# Altium PCB PCB1.PcbDoc
Units mil, origin at the board's own origin, x right, y up, seen from the top; angles counter-clockwise.
Board outline 6000 x 4000 mil, 2 copper layers (Top Layer, Bottom Layer); 38 components, 36 nets, 159 pads, 1 vias.
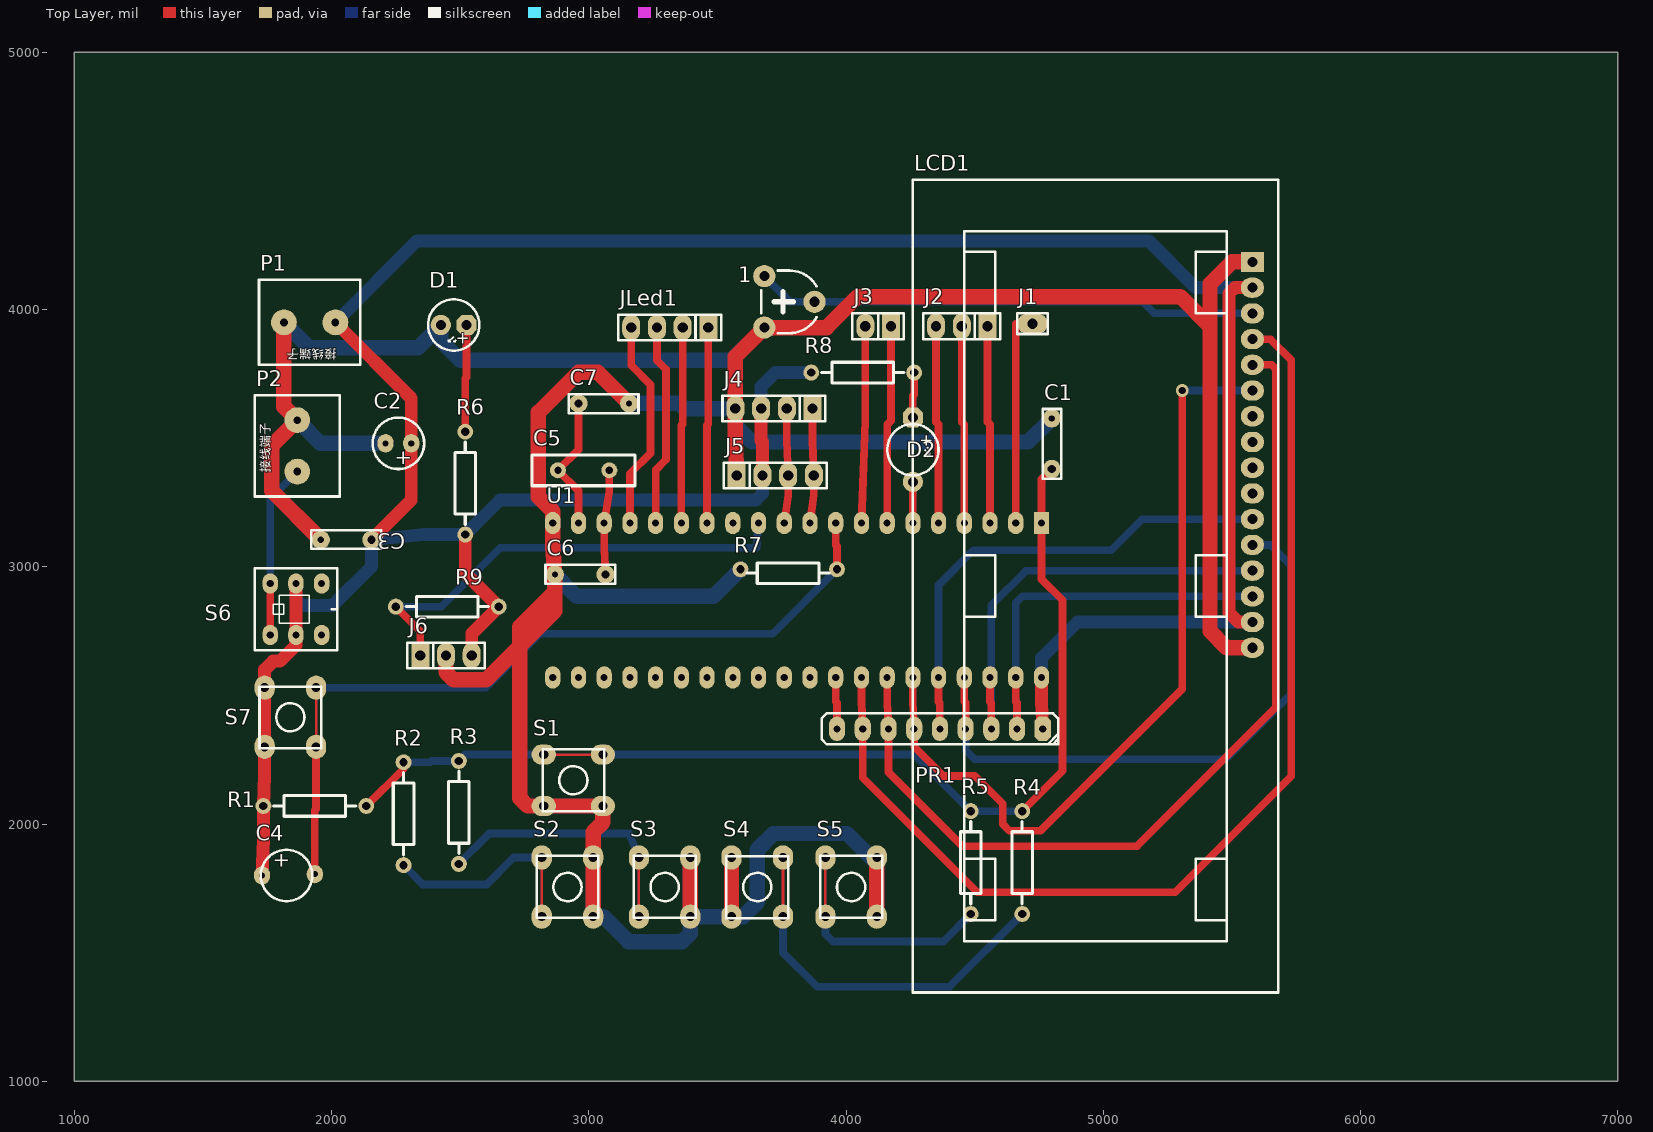
[diagram p0: Top Layer view]
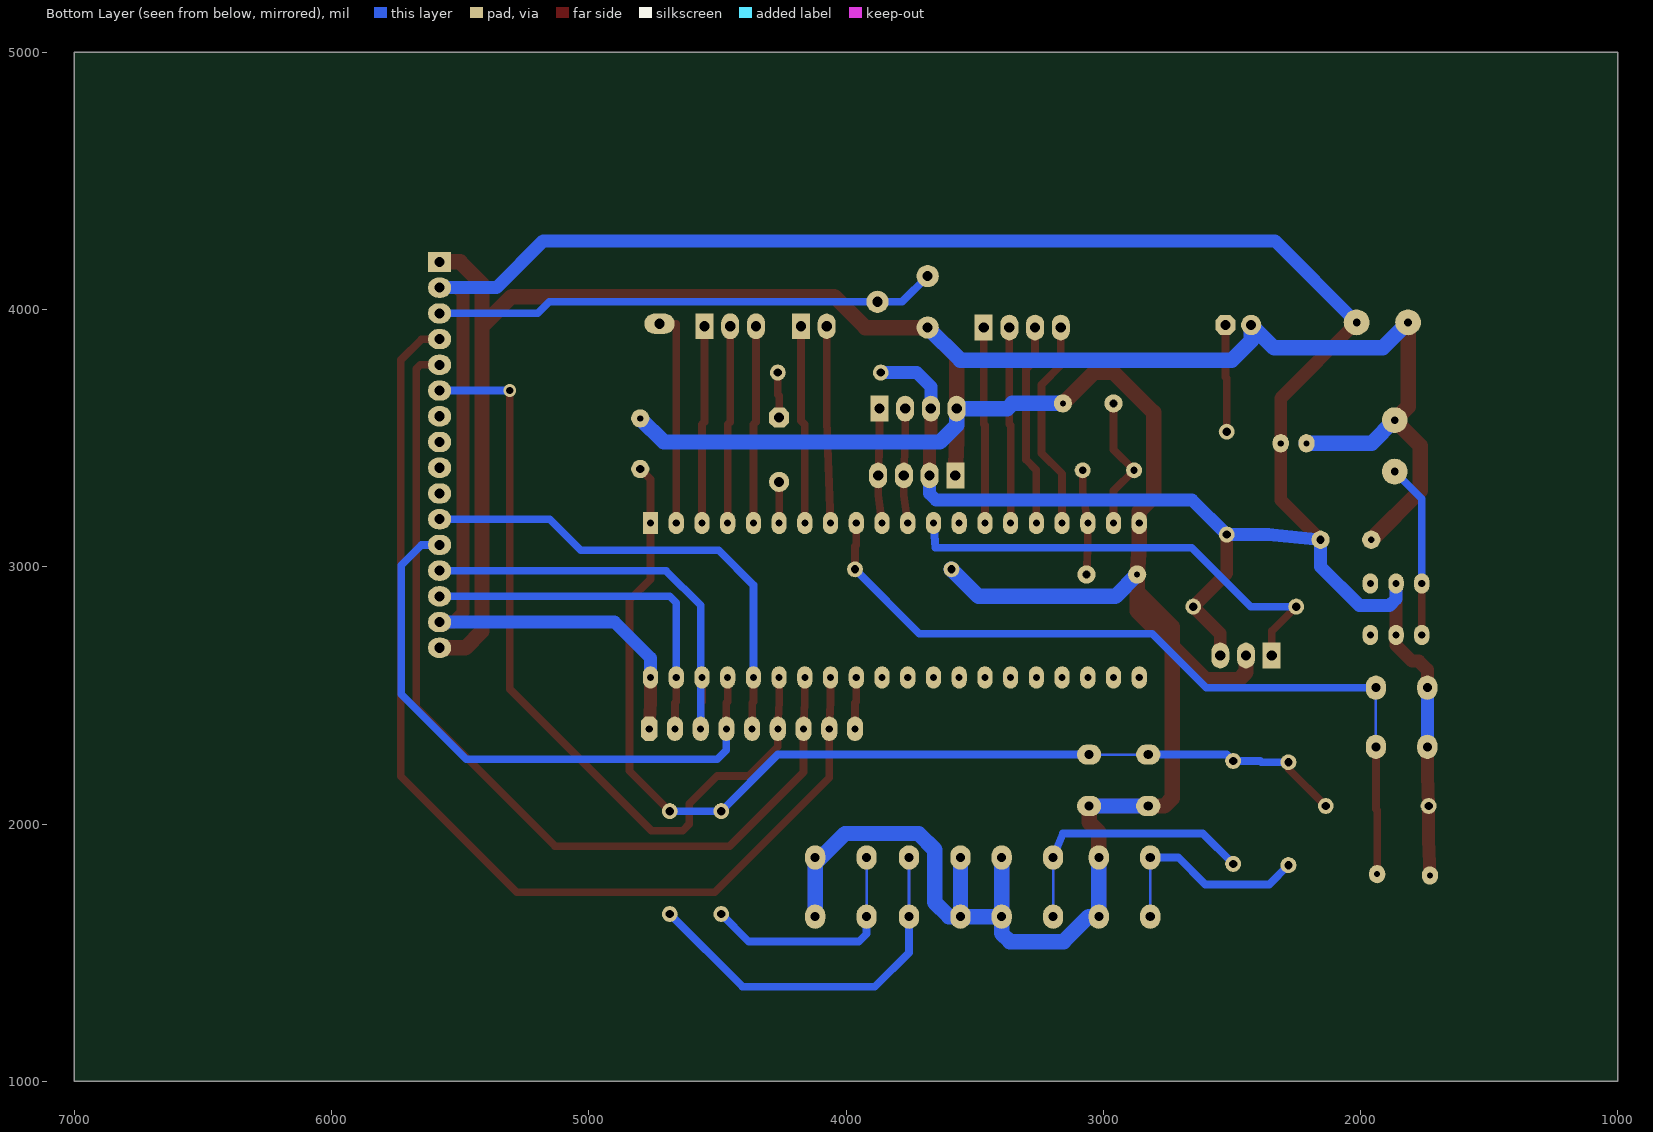
[diagram p1: Bottom Layer view, seen from below]

## Layer stack, top to bottom
Top Solder: solder mask 0.4, Solder Resist, Dk 3.5
Top Layer: signal copper 1.4
Dielectric 1: dielectric 12.6, FR-4, Dk 4.8
Bottom Layer: signal copper 1.4
Bottom Solder: solder mask 0.4, Solder Resist, Dk 3.5

## Board outline
1000,1000 7000,1000 7000,5000 1000,5000

## Design rules (kind name [scope] priority, off if disabled: settings)
Clearance [All] p1: gap=30
PolygonConnect [All] p1: connectstyle=Relief reliefconductorwidth=10 reliefentries=4 polygonreliefangle="90 Angle" airgapwidth=10
RoomDefinition Sheet1 [InComponentClass('Sheet1')] p1: confinementstyle=ConfineIn formatcopy=TRUE lockcomponents=FALSE outline 0,0 2000,0 2000,1000 0,1000
RoutingVias [All] p1: holewidth=28 width=50 viastyle="Through Hole" minholewidth=28 minwidth=50 maxholewidth=28 maxwidth=50
SolderMaskExpansion [All] p1: expansion=4
Width [All] p1: maxlimit=30 minlimit=30 preferedwidth=30
30 further rules are at their usual default settings.

## Components (designator, comment, footprint, x,y, rotation, side; value= is the part's Value field where it differs from the comment)
1 "RPOT-1" RVR-2 3780,4030 r90 top
C1 "47PF" CAP2 4800,3380 r90 top
C2 "10uf" CAO2#1 2260,3480 r180 top
C3 "104" CAP2 2155,3105 r180 top
C4 "10uf" CAO2#2 1825,1800 r0 top
C5 "11.0592MHz" XTAL1 3080,3375 r270 top
C6 "30PF" CAP2 3065,2970 r180 top
C7 "30PF" CAP2 2960,3635 r0 top
D1 "LED" LED2_B#1 2475,3940 r180 top
D2 "LED" LED2_B#2 4260,3455 r270 top
J1 "CON1" SIP-1 4725,3945 r270 top
J2 "CON3" sip-3 4550,3935 r180 top
J3 "CON2" sip-2 4175,3935 r180 top
J4 "CON4" sip-4 3870,3615 r180 top
J5 "OLED0.96" sip-4 3575,3355 r0 top
J6 "CON3" sip-3 2345,2655 r0 top
JLed1 "CON4" sip-4 3465,3930 r180 top
LCD1 "1602" 1602 5580,4185 r270 top
P1 "接线端子" 接线端子 1915,3950 r180 top
P2 "接线端子" 接线端子 1866.98,3470 r90 top
PR1 "PRES1" RP1 4765,2370 r180 top
R1 "10K" AXIAL0.4#1 2135,2070 r180 top
R2 "520" AXIAL0.4#1 2280,1840 r90 top
R3 "1.8K" AXIAL0.4#1 2495,1845 r90 top
R4 "3.3K" AXIAL0.4#1 4685,1650 r90 top
R5 "5.4K" AXIAL0.4#1 4485,1650 r90 top
R6 "1K" AXIAL0.4#1 2520,3525 r270 top
R7 "10K" AXIAL0.4#2 3575,2975 r0 top
R8 "1k" AXIAL0.4#1 3865,3755 r0 top
R9 "1K" AXIAL0.4#1 2250,2845 r0 top
S1 "SW-PB" SW6*6#1 2810,2260 r0 top
S2 "SW-PB" SW6*6#1 2827.13,1625 r90 top
S3 "SW-PB" SW6*6#1 3205,1625 r90 top
S4 "SW-PB" SW6*6#1 3745,1885 r270 top
S5 "SW-PB" SW6*6#2 3930,1625 r90 top
S6 "SW-DPDT" SWH8*8 1961.63,2735 r180 top
S7 "SW-PB" SW6*6#1 1930,2545 r270 top
U1 "STC12C5A06S2-DIP40" DIP-40 4760,3170 r270 top

## Footprints (in the part's own frame and the unit in brackets; to place one, negate y for a bottom-side part, rotate by r counter-clockwise, add the part's x,y. Pads: shape width x height; smd on the part's side, far side on the other; paste and mask are expansions set on the pad)
1602 [mm]
  rect 2x2.3 hole 1: 1(0,0)
  oval 2x2.3 hole 1: 2(2.54,0) 3(5.08,0) 4(7.62,0) 5(10.16,0) 6(12.7,0) 7(15.24,0) 8(17.78,0) 9(20.32,0) 10(22.86,0) 11(25.4,0) 12(27.94,0) 13(30.48,0) 14(33.02,0) 15(35.56,0) 16(38.1,0)
  silkscreen extent -8.13,-33.53 72.14,2.54
AXIAL0.4#1 [mil]
  round 62 hole 32: 1(0,0) 2(400,0)
  silkscreen extent 40,-40 360,40
AXIAL0.4#2 [mil]
  round 62 hole 32: 1(15,15) 2(390,15)
  silkscreen extent 40,-40 360,40
CAO2#1 [mm]
  oval 1.6x1.8 hole 0.6: 1(-1.27,0) 2(1.27,0)
  silkscreen extent -2.54,-2.54 2.54,2.54
CAO2#2 [mm]
  oval 1.6x1.8 hole 0.6: 1(-2.413,0) 2(2.794,0.127)
  silkscreen extent -2.54,-2.54 2.54,2.54
CAP2 [mm]
  round 1.8 hole 0.8: 1(0,0)
  round 1.8 hole 0.6: 2(5,0)
  silkscreen extent -0.98,-0.95 5.93,0.9
DIP-40 [mm]
  rect 2.2x1.5 hole 0.7: 1(0,0)
  oval 2.2x1.5 hole 0.7: 2(0,-2.54) 3(0,-5.08) 4(0,-7.62) 5(0,-10.16) 6(0,-12.7) 7(0,-15.24) 8(0,-17.78) 9(0,-20.32) 10(0,-22.86) 11(0,-25.4) 12(0,-27.94) 13(0,-30.48) 14(0,-33.02) 15(0,-35.56) 16(0,-38.1) 17(0,-40.64) 18(0,-43.18) 19(0,-45.72) 20(0,-48.26) 21(15.24,-48.26) 22(15.24,-45.72) 23(15.24,-43.18) 24(15.24,-40.64) 25(15.24,-38.1) 26(15.24,-35.56) 27(15.24,-33.02) 28(15.24,-30.48) 29(15.24,-27.94) 30(15.24,-25.4) 31(15.24,-22.86) 32(15.24,-20.32) 33(15.24,-17.78) 34(15.24,-15.24) 35(15.24,-12.7) 36(15.24,-10.16) 37(15.24,-7.62) 38(15.24,-5.08) 39(15.24,-2.54) 40(15.24,0)
LED2_B#1 [mm] "5mm"
  oct 2x2 hole 1: 1(-1.27,0)
  round 2 hole 1: 2(1.27,0)
  silkscreen extent -2.53,-2.53 2.53,2.53, body extent -2.8,-2.91 2.55,2.79, height 8.85
LED2_B#2 [mm] "5mm"
  oct 2x2 hole 1: 1(-3.175,0)
  round 2 hole 1: 2(3.175,0)
  silkscreen extent -2.53,-2.53 2.53,2.53, body extent -2.8,-2.91 2.55,2.79, height 8.85
RP1 [mm]
  oct 1.6x2.4 hole 0.7: 1(0,0)
  oval 1.6x2.4 hole 0.7: 2(2.54,0) 3(5.08,0) 4(7.62,0) 5(10.16,0) 6(12.7,0) 7(15.24,0) 8(17.78,0) 9(20.32,0)
  silkscreen extent -1.52,-1.52 21.84,1.52
RVR-2 [mm]
  round 2.2 hole 1: 1(-2.54,2.476) 2(0,-2.476) 3(2.54,2.476)
  silkscreen extent -3.09,-2.68 3.09,2.79, body extent -3.2,-3.22 3.2,3.78, height 7.5
SIP-1 [mm]
  oval 2x3 hole 1.016: 1(0,0)
  silkscreen extent -1.02,-1.52 1.02,1.52
sip-2 [mil]
  rect 70x100 hole 40: 1(0,0)
  oval 70x98.42 hole 40: 2(100,0)
  silkscreen extent -50,-50 150,50
sip-3 [mil]
  rect 70x100 hole 40: 1(0,0)
  oval 70x100 hole 40: 2(100,0) 3(200,0)
  silkscreen extent -50,-50 250,50
sip-4 [mil]
  rect 70x100 hole 40: 1(0,0)
  oval 70x100 hole 40: 2(100,0) 3(200,0) 4(300,0)
  silkscreen extent -50,-50 350,50
SW6*6#1 [mm]
  oval 2.4x2 hole 0.9: 1(0.381,0.254) 1(6.223,0.254) 2(0.381,-4.826) 2(6.223,-4.826)
  Multi-Layer lines w0.254: 0.381,0.254 6.223,0.254
  Multi-Layer lines w1.524: 0.381,-4.826 6.223,-4.826
  silkscreen extent 0.28,-5.34 6.38,0.76
SW6*6#2 [mm]
  oval 2.4x2 hole 0.9: 1(0.381,0.254) 1(6.223,0.254) 2(0.381,-4.826) 2(6.223,-4.826)
  Multi-Layer lines w0.254: 0.381,0.254 6.223,0.254
  Multi-Layer lines w1.524: 0.381,-4.826 5.639,-4.826 6.223,-4.826
  silkscreen extent 0.28,-5.34 6.38,0.76
SWH8*8 [mm]
  oval 1.524x2 hole 0.7: 1(0,0) 2(2.54,0) 3(5.08,0) 4(5.08,-5.08) 5(2.54,-5.08) 6(0,-5.08)
  silkscreen extent -1.52,-6.6 6.6,1.52
XTAL1 [mil]
  round 62 hole 28: 1(0,0) 2(0,-200)
  silkscreen extent -60,-300 60,100
接线端子 [mil]
  round 100 hole 30: 1(-100,0) 2(100,0)
  silkscreen extent -197,-165 197,165

## Part data
1: "普通电位器"
C1 C3 C6 C7: library part CAP1
C2 C4: library part CAP3
C5: library part CPY
J1 J2 J3 J4 J6 JLed1: "Connector"
J5: library part CON4, "Connector"
R1 R2 R3 R4 R5 R6 R7 R8 R9: library part RES, "电阻"

## Via types
v1: diameter 50, hole 28, Top Layer to Bottom Layer, 1 vias

## Nets (pads, with @x,y where several pads share a name; then routed paths per layer and width w, separated by ;. In a path a pad name is that pad's centre, name@x,y a point inside that pad or via, vN(x,y) a via of type N, cw(c..) or ccw(c..) an arc to the next point about the centre after c; other vN are vias at no path point)
A: J2.1 U1.3 | length 769.1
  Top Layer w30: J2.1 4550,3563 4560,3553 U1.3
AA: J3.1 U1.7 | length 771.2
  Top Layer w30: U1.7 4160,3553 4175,3568 J3.1
AD: J1.1 U1.2 | length 840
  Top Layer w30: U1.2 4660,3945 J1.1
B: J2.2 U1.4 | length 769.1
  Top Layer w30: J2.2 4450,3563 4460,3553 U1.4
BB: J3.2 U1.8 | length 765.3
  Top Layer w30: U1.8 4075,3568 J3.2
C: J2.3 U1.5 | length 769.1
  Top Layer w30: J2.3 4350,3563 4360,3553 U1.5
D4: LCD1.11 PR1.5 U1.36 | length 1887.1
  Top Layer w30: U1.36 4360,2475 4365,2470 PR1.5
  Bottom Layer w30: U1.36 4360,2929 4495,3064 5031,3064 5152,3185 LCD1.11
D5: LCD1.12 PR1.4 U1.37 | length 2351.1
  Top Layer w30: U1.37 4460,2475 4465,2470 PR1.4
  Bottom Layer w30: PR1.4 4465,2287 4500,2252 5476,2252 5729,2505 5729,3006 5650,3085 LCD1.12
D6: LCD1.13 PR1.3 U1.38 | length 1753
  Top Layer w30: U1.38 4560,2475 4565,2470 PR1.3
  Bottom Layer w30: PR1.3 4565,2850 4700,2985 LCD1.13
D7: LCD1.14 PR1.2 U1.39 | length 1422.4
  Top Layer w30: U1.39 4660,2475 4665,2470 PR1.2
  Bottom Layer w30: U1.39 4660,2860 4685,2885 LCD1.14
EN: LCD1.6 PR1.6 U1.35 | length 3154.1
  Top Layer w30: U1.35 4260,2475 PR1.6 4265,2300 4378,2187 4500,2187 4609,2078 4609,2000 4635,1974 4756,1974 5307,2525 v1(5307,3685)
  Bottom Layer w30: v1(5307,3685) LCD1.6
GND: 1.1 C1.2 C2.2 C3.2 C6.2 C7.2 D1.2 J4.4 J5.1 J6.2 LCD1.1 LCD1.16 P1.2 P2.2 R7.1 S1.2 S2.2 S3.2 S4.2 S5.2 U1.20 | length 15086.4
  Top Layer w60: P1.2 1815,3621.98 P2.2 1767,3470.02 1767,3296.15 C3.2 ; J6.2 2445,2590 2475,2560 2600,2560 2732,2692 ; S1.2@2825,2070 2762,2070 2732,2100 2732,2692 ; S2.2@3017.13,1870 3017.13,1969 3055,2006.87 S1.2@3055,2070 ; C7.2 3035.85,3756 2960,3756 2804,3600 2804,3272 2860,3216 U1.20 2860,3078.15 C6.2 ; J5.1 3570,3490 J4.4 3570,3817.5 1.1 3925,3930 4045,4050 5300,4050 5415,3935 ; LCD1.16 5480,2685 5415,2750 5415,3935 ; LCD1.1 5500,4185 5415,4100 5415,3935 ; 2732,2692 2732,2767 2868.15,2903.15 C6.2 ; 2732,2692 2868.15,2828.15 C6.2
  Bottom Layer w60: P1.2 1914,3851 2336,3851 D1.2 2425,3878 2500,3803 3555.5,3803 1.1 ; P2.2 1956.98,3480 C2.2 ; C6.2 2953.15,2885 3485,2885 R7.1 ; S2.2@3017.13,1640 3057,1640 3154,1543 3363,1543 3395,1575 3395,1640 3555,1640 3600,1640 3655,1695 3655,1900 3718,1963 4004,1963 4120,1847 S5.2@4120,1640 ; C7.2 3353,3635 3373,3615 J4.4 3570,3550 3635,3485 4708.15,3485 C1.2
KEY: C1.1 R1.1 R2.2 R3.2 R4.2 R5.2 S1.1 U1.1 | length 3954.2
  Top Layer w30: R1.1 2280,2215 R2.2 ; R4.2 4842,2207 4842,2870 4760,2952 U1.1 4760,3340 C1.1
  Bottom Layer w30: R2.2 2385,2240 2390,2245 R3.2 2520,2270 S1.1@2825,2270 ; S1.1@3055,2270 4265,2270 R5.2 R4.2
LED1: JLed1.1 U1.14 | length 762.1
  Top Layer w30: U1.14 3460,3550 3465,3555 JLed1.1
LED2: JLed1.2 U1.15 | length 762.1
  Top Layer w30: U1.15 3360,3550 3365,3555 JLed1.2
LED3: JLed1.3 U1.16 | length 791.1
  Top Layer w30: U1.16 3260,3376 3300,3416 3300,3768 3265,3803 JLed1.3
LED4: JLed1.4 U1.17 | length 824.2
  Top Layer w30: U1.17 3160,3361 3240,3441 3240,3708 3165,3783 JLed1.4
LED5: D2.2 U1.6 | length 160
  Top Layer w30: U1.6 D2.2
Net1_2: 1.2 1.3 LCD1.3 | length 1957.6
  Bottom Layer w30: 1.3 3782.5,4030 1.2 5153,4030 5198,3985 LCD1.3
NetC4_2: C4.2 R7.2 S7.1 U1.9 | length 2894.7
  Top Layer w30: C4.2 1935,2053 1940,2058 S7.1@1940,2300 ; U1.9 3960,3085 3965,3080 R7.2
  Bottom Layer w30: S7.1@1940,2530 2600,2530 2810,2740 3715,2740 R7.2
NetC5_1: C5.1 C6.1 U1.18 | length 406.7
  Top Layer w30: C6.1 3060,3075 U1.18 3080,3292 C5.1
NetC5_2: C5.2 C7.1 U1.19 | length 531.3
  Top Layer w30: U1.19 2960,3295 C5.2 2960,3455 C7.1
NetD1_1: D1.1 R6.1 | length 417.1
  Top Layer w30: R6.1 2520,3733 2525,3738 D1.1
NetD2_1: D2.1 R8.2 | length 177.1
  Top Layer w30: D2.1 4260,3665 4265,3670 R8.2
NetP2_1: P2.1 S6.3 S6.4 | length 678.6
  Top Layer w30: S6.3 S6.4
  Bottom Layer w30: S6.4 1761.63,3264.65 P2.1
NetPR1_9: PR1.9 U1.32 | length 202.1
  Top Layer w30: U1.32 3960,2475 3965,2470 PR1.9
NetR2_1: R2.1 S2.1 | length 611.7
  Bottom Layer w30: R2.1 2355,1765 2603,1765 2708,1870 S2.1@2817.13,1870
NetR3_1: R3.1 S3.1 | length 811.3
  Bottom Layer w30: R3.1 2613,1963 3157,1963 S3.1@3195,1870
NetR4_1: R4.1 S4.1 | length 1242.3
  Bottom Layer w30: S4.1@3755,1640 3755,1500 3888,1367 4402,1367 R4.1
NetR5_1: R5.1 S5.1 | length 688.7
  Bottom Layer w30: S5.1@3920,1640 3920,1573 3950,1543 4378,1543 R5.1
REMOTE: J6.1 R9.1 U1.12 | length 1822.5
  Top Layer w30: R9.1 2345,2750 J6.1
  Bottom Layer w30: R9.1 2427,2845 2656,3074 3652,3074 U1.12
RS: LCD1.4 PR1.8 U1.33 | length 4229.8
  Top Layer w30: U1.33 4060,2475 PR1.8 4065,2180 4510,1735 5280,1735 5731,2186 5731,3804 5650,3885 LCD1.4
RW: LCD1.5 PR1.7 U1.34 | length 3629.7
  Top Layer w30: U1.34 4160,2475 PR1.7 4165,2202 4453,1914 5131,1914 5671,2454 5671,3769 5655,3785 LCD1.5
SCL: J4.2 J5.3 U1.11 | length 446.1
  Top Layer w30: U1.11 3775,3278 J5.3 3770,3490 J4.2
SDL: J4.1 J5.4 U1.10 | length 446.1
  Top Layer w30: U1.10 3875,3278 J5.4 3870,3490 J4.1
VCC: C2.1 C3.1 C4.1 J4.3 J5.2 J6.3 LCD1.2 LCD1.15 P1.1 PR1.1 R1.2 R6.2 R8.1 R9.2 S6.2 S6.5 S7.2 U1.40 | length 11695.3
  Top Layer w50: C4.1 1735,1940 R1.2 1740,2190 S7.2@1740,2300 ; S7.2@1740,2530 1740,2600 1773,2633 1800,2633 1861.63,2694.63 S6.2 S6.5 ; P1.1 2310,3655 C2.1 2310,3260 C3.1 ; R6.2 2520,2975 R9.2 2545,2740 J6.3 ; J4.3 3670,3490 3675,3485 J5.2 ; U1.40 4760,2475 PR1.1 ; LCD1.15 5525,2785 5489,2821 5489,4062 5512,4085 LCD1.2
  Bottom Layer w50: S6.5 1861.63,2875 1886.63,2850 2005,2850 2155,3000 C3.1 2358,3125 R6.2 2655,3260 3650,3260 3675,3285 J5.2 ; P1.1 2332,4267 5177,4267 5359,4085 LCD1.2 ; J4.3 3670,3700 3725,3755 R8.1 ; U1.40 4760,2645 4900,2785 LCD1.15
pads on no net: LCD1.7 LCD1.8 LCD1.9 LCD1.10 S6.1 S6.6 U1.13 U1.21 U1.22 U1.23 U1.24 U1.25 U1.26 U1.27 U1.28 U1.29 U1.30 U1.31

## Text inside footprints (layer, text, board x,y; h text height)
C2: Top Overlay "+" at 2314.13,3446.53 h60 r180
C4: Top Overlay "+" at 1770.87,1833.46 h60
D1: Top Overlay "+" at 2537,3907 h47.24 r180
D2: Top Overlay "+" at 4293,3517 h47.24 r270